# Altium PCB HTBLEBMSALL24S100A_PCB_V0.2_260323.pcbdoc (part 3 of 7)
Units mm, origin at the board's own origin, x right, y up, seen from the top; angles counter-clockwise.
Board outline 212.1 x 87.6 mm, 2 copper layers (Top Layer, Bottom Layer), stack 1.56 mm thick; 927 components, 443 nets, 2867 pads, 2632 vias.
Unrouted connection lines stored in the file: 1161.
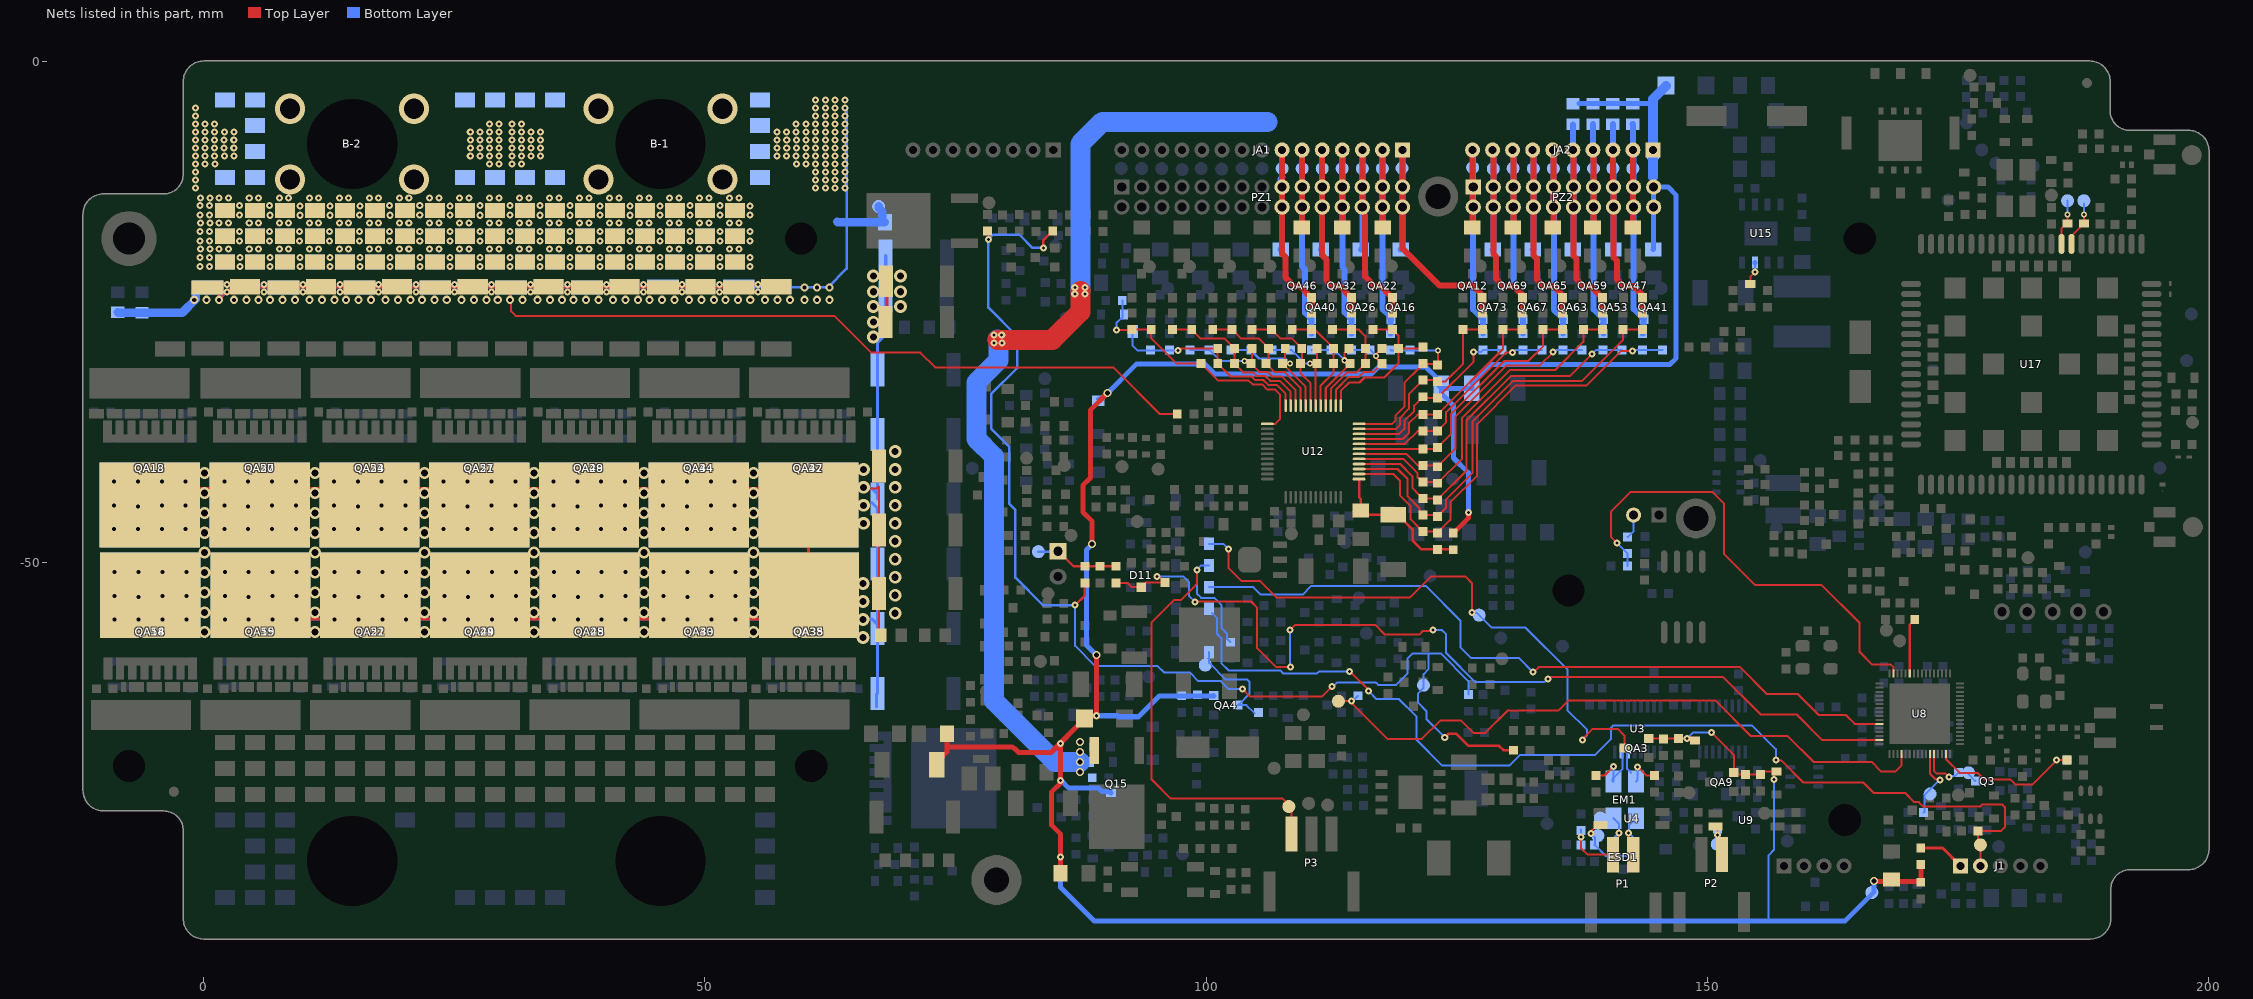
[diagram p3: the nets of this part, all layers, seen from the top]

## Via types
v1: diameter 0.7, hole 0.3, Top Layer to Bottom Layer, tented both sides, 1293 vias
v2: diameter 0.6, hole 0.3, Top Layer to Bottom Layer, tented both sides, 859 vias
v3: diameter 0.8, hole 0.4, Top Layer to Bottom Layer, tented both sides, 301 vias
v4: diameter 0.8, hole 0.5, Top Layer to Bottom Layer, tented both sides, 67 vias
v5: diameter 1.2, hole 0.7, Top Layer to Bottom Layer, tented both sides, 59 vias
v6: diameter 1.27, hole 0.711, Top Layer to Bottom Layer, tented both sides, 34 vias
v7: diameter 3, hole 2, Top Layer to Bottom Layer, tented both sides, 16 vias
v8: diameter 0.9, hole 0.6, Top Layer to Bottom Layer, tented both sides, 2 vias
v9: diameter 0.63, hole 0.3, Top Layer to Bottom Layer, tented both sides, 1 vias

## Nets (pads, with @x,y where several pads share a name; then routed paths per layer and width w, separated by ;. In a path a pad name is that pad's centre, name@x,y a point inside that pad or via, vN(x,y) a via of type N, cw(c..) or ccw(c..) an arc to the next point about the centre after c; other vN are vias at no path point) (continued)
B8: CA53.2 DA43.2 JA1.7 PZ1.17 PZ1.18 Q15.3 QA46.2 RA90.1 RA91.1 RA141.1 T64.1 | length 119.9
  Top Layer w0.6: JA1.7@107.58,-8.829 PZ1.17@107.58,-12.529 107.58,-19.189 107.939,-19.548 107.939,-21.555 108.76,-22.375 109.314,-22.375 110.341,-23.402 110.366,-23.402 110.516,-23.552 QA46.2@110.516,-23.577 110.544,-23.605 110.544,-25.065 RA90.1@110.521,-25.088
  Top Layer w2: 79.207,-27.776 79.63,-27.776 84.66,-27.776 87.452,-24.984 87.452,-22.891
  Bottom Layer w0.2: 107.595,-11.508 107.62,-11.533 ; JA1.7@107.595,-9.449 JA1.7@107.608,-9.461
  Bottom Layer w0.6: RA91.1@107.436,-18.779 107.58,-18.635 PZ1.18@107.58,-14.529 PZ1.17@107.58,-12.529 ; PZ1.17@107.436,-12.529 107.436,-11.717 107.62,-11.533
  Bottom Layer w2: 79.181,-27.75 79.263,-27.832 79.263,-29.823 77.068,-32.018 77.068,-37.637 78.833,-39.402 78.833,-63.787 84.941,-69.894 v4(87.416,-69.894) ; 87.452,-22.891 87.452,-8.209 89.638,-6.023 106.13,-6.023
  other v1: 78.833,-28.078 79.63,-28.078 79.608,-27.295 78.83,-27.265 86.892,-23.217 87.918,-23.217 86.892,-22.526 87.918,-22.526
  other v4: 87.416,-70.895 87.416,-68.893 87.416,-67.893
B9: JA1.6 PZ1.19 PZ1.20 QA40.2 RA78.1 RA79.1 T60.1 | length 26.4
  Top Layer w0.6: RA79.1@109.58,-16.544 PZ1.20@109.58,-14.529 PZ1.19@109.58,-12.529 JA1.6@109.58,-8.829
  Bottom Layer w0.6: JA1.6@109.58,-8.829 T60.1@109.58,-10.679 PZ1.19@109.58,-12.529 PZ1.20@109.58,-14.529 109.58,-20.449 109.876,-20.745 109.876,-25.081 110.326,-25.531 110.348,-25.531 110.501,-25.684 110.501,-25.706 RA78.1@110.501,-27.121
B10: JA1.5 PZ1.21 PZ1.22 QA32.2 RA59.1 RA66.1 T53.1 | length 28
  Top Layer w0.6: PZ1.22@111.58,-14.529 PZ1.21@111.58,-12.529 ; PZ1.22@111.58,-14.529 111.58,-19.319 111.995,-19.734 111.995,-21.852 112.519,-22.375 113.317,-22.375 114.344,-23.402 114.369,-23.402 114.519,-23.552 QA32.2@114.519,-23.577 114.514,-23.582 114.514,-25.083 RA59.1@114.509,-25.088 ; PZ1.21@111.58,-12.529 JA1.5@111.58,-8.829
  Bottom Layer w0.6: RA66.1@111.442,-18.779 111.58,-18.641 PZ1.22@111.58,-14.529 PZ1.21@111.58,-12.529 T53.1@111.58,-10.679 JA1.5@111.58,-8.829
B11: JA1.4 PZ1.23 PZ1.24 QA26.2 RA47.1 RA50.1 T49.1 | length 26.4
  Top Layer w0.6: PZ1.24@113.562,-14.529 JA1.4@113.562,-8.829 ; RA50.1@113.58,-16.562 PZ1.24@113.58,-14.529
  Bottom Layer w0.6: JA1.4@113.58,-8.829 PZ1.23@113.58,-12.529 PZ1.24@113.58,-14.529 113.58,-20.51 113.801,-20.73 113.801,-25.021 114.31,-25.531 114.358,-25.531 114.485,-25.658 114.485,-25.706 RA47.1@114.485,-27.121
B12: JA1.3 PZ1.25 PZ1.26 QA22.2 RA37.1 RA39.1 T43.1 | length 27.9
  Top Layer w0.6: JA1.3@115.58,-8.829 PZ1.25@115.58,-12.529 PZ1.26@115.58,-14.529 115.757,-14.706 115.757,-15.249 115.85,-15.343 115.85,-21.439 116.787,-22.375 117.399,-22.375 118.425,-23.402 118.425,-23.427 QA22.2@118.575,-23.577 118.574,-23.578 118.574,-25.087 RA37.1@118.573,-25.088
  Bottom Layer w0.6: RA39.1@115.444,-18.779 115.58,-18.642 PZ1.26@115.58,-14.529 PZ1.25@115.58,-12.529 T43.1@115.58,-10.679 JA1.3@115.58,-8.829
B13: JA1.2 PZ1.27 PZ1.28 QA16.2 RA22.1 RA26.1 T40.1 | length 26.4
  Top Layer w0.5: RA26.1@117.58,-16.56 RA26.1@117.6,-16.579
  Top Layer w0.6: RA26.1@117.578,-16.56 PZ1.27@117.578,-12.529 ; PZ1.27@117.58,-12.529 JA1.2@117.58,-8.829
  Bottom Layer w0.6: PZ1.28@117.578,-14.529 117.578,-24.653 118.291,-25.366 118.291,-25.556 QA16.2@118.441,-25.706 118.411,-26.056 RA22.1@118.411,-27.121 ; PZ1.27@117.578,-12.529 T40.1@117.578,-10.955 ; T40.1@117.579,-10.955 JA1.2@117.579,-8.829 ; PZ1.28@117.58,-14.529 PZ1.27@117.58,-12.529
B14: JA1.1 PZ1.29 PZ1.30 QA12.2 RA13.1 RA16.1 T35.1 | length 31.8
  Top Layer w0.6: JA1.1@119.58,-8.575 JA1.1@119.58,-8.829 PZ1.29@119.58,-12.529 PZ1.30@119.58,-14.529 119.58,-18.639 123.302,-22.361 126.614,-22.361 127.549,-23.296 RA13.1@127.549,-25.074
  Bottom Layer w0.6: RA16.1@119.409,-18.779 119.58,-18.608 PZ1.30@119.58,-14.529 PZ1.29@119.58,-12.529 JA1.1@119.58,-8.829
B15: JA2.10 PZ2.1 PZ2.2 QA73.2 RA7.1 RA9.1 T33.1 | length 26.5
  Top Layer w0.6: RA9.1@126.556,-16.579 JA2.10@126.556,-8.829
  Bottom Layer w0.6: JA2.10@126.645,-8.829 PZ2.1@126.645,-12.529 PZ2.2@126.645,-14.529 126.645,-24.739 127.437,-25.531 127.463,-25.531 127.611,-25.679 QA73.2@127.611,-25.705 ; RA7.1@127.612,-27.121 QA73.2@127.613,-25.706
B16: JA2.9 PZ2.3 PZ2.4 QA69.2 RA153.1 RA159.1 T94.1 | length 28.3
  Top Layer w0.6: JA2.9@128.579,-8.829 128.645,-8.894 PZ2.3@128.645,-12.529 128.645,-19.173 128.911,-19.439 128.911,-21.645 129.641,-22.375 130.629,-22.375 131.388,-23.135 131.388,-23.402 QA69.2@131.549,-23.402 ; RA153.1@131.515,-25.074 131.549,-25.074 QA69.2@131.549,-23.296
  Bottom Layer w0.6: RA159.1@128.574,-18.779 128.645,-18.709 PZ2.3@128.645,-12.529 128.645,-8.894 JA2.9@128.579,-8.829
B17: JA2.8 PZ2.5 PZ2.6 QA67.2 RA143.1 RA145.1 T90.1 | length 26.4
  Top Layer w0.6: RA145.1@130.568,-16.579 130.645,-16.502 PZ2.6@130.645,-14.529 PZ2.5@130.645,-12.529 JA2.8@130.645,-8.829
  Bottom Layer w0.6: PZ2.6@130.645,-14.529 130.645,-22.391 131.626,-23.372 QA67.2@131.626,-25.706 ; JA2.8@130.645,-8.829 PZ2.5@130.645,-12.529 130.645,-14.168 PZ2.6@130.825,-14.348 ; RA143.1@131.618,-27.121 QA67.2@131.618,-25.673
B18: JA2.7 PZ2.7 PZ2.8 QA65.2 RA135.1 RA137.1 T85.1 | length 28.2
  Top Layer w0.6: JA2.7@132.645,-8.829 PZ2.7@132.645,-12.529 PZ2.8@132.645,-14.529 132.645,-19.323 132.987,-19.666 132.987,-21.739 133.624,-22.375 134.629,-22.375 135.381,-23.127 135.381,-23.402 QA65.2@135.549,-23.402 ; RA135.1@135.549,-25.074 QA65.2@135.549,-23.296
  Bottom Layer w0.6: JA2.7@132.579,-8.829 132.645,-8.894 PZ2.7@132.645,-12.529 PZ2.8@132.645,-14.529 132.645,-18.715 RA137.1@132.58,-18.779
B19: JA2.6 PZ2.9 PZ2.10 QA63.2 RA128.1 RA131.1 T81.1 | length 26.8
  Top Layer w0.6: RA131.1@134.571,-16.579 134.645,-16.505 PZ2.10@134.645,-14.529 PZ2.9@134.645,-12.529 JA2.6@134.645,-8.829
  Bottom Layer w0.6: JA2.6@134.579,-8.829 134.645,-8.894 PZ2.9@134.645,-12.529 PZ2.10@134.645,-14.529 ; PZ2.10@134.683,-14.256 134.683,-24.75 135.464,-25.531 135.489,-25.531 135.639,-25.681 QA63.2@135.639,-25.706 ; QA63.2@135.589,-26.147 QA63.2@135.614,-26.122 ; RA128.1@135.614,-27.121 QA63.2@135.614,-26.122 ; QA63.2@135.614,-25.706 QA63.2@135.614,-26.122
B20: JA2.5 PZ2.11 PZ2.12 QA59.2 RA113.2 RA117.1 RA120.1 T77.1 | length 30.5
  Top Layer w0.6: JA2.5@136.645,-8.829 PZ2.11@136.645,-12.529 PZ2.12@136.645,-14.529 136.645,-19.393 136.95,-19.698 136.95,-21.718 137.607,-22.375 138.322,-22.375 139.349,-23.402 139.374,-23.402 139.524,-23.552 QA59.2@139.524,-23.577 139.559,-23.613 139.559,-25.065 RA117.1@139.536,-25.088
  Bottom Layer w0.6: JA2.5@136.579,-8.829 RA113.2@136.579,-6.263 ; RA120.1@136.586,-18.779 136.645,-18.721 PZ2.12@136.645,-14.529 PZ2.11@136.645,-12.529 T77.1@136.645,-10.679 136.645,-8.894 JA2.5@136.589,-8.839
B21: JA2.4 PZ2.13 PZ2.14 QA53.2 RA97.2 RA105.1 RA108.1 T71.1 | length 29.2
  Top Layer w0.6: RA108.1@138.543,-16.579 138.645,-16.478 PZ2.14@138.645,-14.529 PZ2.13@138.645,-12.529 JA2.4@138.645,-8.829
  Bottom Layer w0.6: PZ2.13@138.579,-12.529 138.645,-12.594 PZ2.14@138.645,-14.529 138.645,-24.72 139.455,-25.531 139.501,-25.531 139.63,-25.659 QA53.2@139.63,-26.144 ; JA2.4@138.579,-8.829 138.641,-9.004 T71.1@138.641,-10.676 ; JA2.4@138.583,-8.829 RA97.2@138.583,-6.244 ; PZ2.13@138.645,-12.529 T71.1@138.645,-10.679 ; QA53.2@139.585,-26.147 QA53.2@139.63,-26.144 ; RA105.1@139.63,-27.121 QA53.2@139.63,-26.144
B22: JA2.3 PZ2.15 PZ2.16 QA47.2 RA86.2 RA92.1 RA96.1 T65.1 | length 30.9
  Top Layer w0.6: JA2.3@140.579,-8.829 140.579,-12.464 PZ2.15@140.645,-12.529 PZ2.16@140.645,-14.529 140.645,-19.533 140.968,-19.857 140.968,-21.718 141.625,-22.375 142.629,-22.375 143.374,-23.121 143.374,-23.402 QA47.2@143.549,-23.402 ; RA92.1@143.517,-25.074 143.549,-25.074 QA47.2@143.549,-23.296
  Bottom Layer w0.6: RA86.2@140.573,-6.244 140.573,-7.424 140.576,-7.427 140.576,-8.829 140.579,-8.832 T65.1@140.579,-10.647 ; RA96.1@140.593,-18.779 140.645,-18.727 PZ2.16@140.645,-14.529 PZ2.15@140.645,-12.529 T65.1@140.645,-10.647
B23: JA2.2 PZ2.17 PZ2.18 QA41.2 RA76.2 RA80.1 RA85.1 T62.1 | length 29.1
  Top Layer w0.6: RA85.1@142.562,-16.579 142.567,-14.529 142.572,-12.529 JA2.2@142.582,-8.829
  Bottom Layer w0.6: RA76.2@142.56,-6.244 142.57,-6.253 JA2.2@142.57,-8.819 ; PZ2.17@142.571,-12.529 142.571,-14.143 PZ2.18@142.801,-14.373 ; T62.1@142.577,-10.679 142.654,-10.602 142.654,-8.904 JA2.2@142.57,-8.819 ; JA2.2@142.579,-8.829 JA2.2@142.57,-8.819 ; PZ2.18@142.645,-14.529 142.645,-24.686 143.489,-25.531 143.514,-25.531 143.664,-25.681 QA41.2@143.664,-25.706 143.608,-25.762 143.608,-27.065 RA80.1@143.552,-27.121 ; PZ2.17@142.645,-12.529 T62.1@142.645,-10.679
B24: C16.2 C26.1 C29.2 CA25.1 D32.1 DA1.1 DA12.2 DA20.2 DA24.1 DA25.1 DA31.1 DA41.2 DA44.1 JA2.1 PZ2.19 PZ2.20 QA3.2 QA4.2 QA9.2 R5.1 R26.2 R32.2 RA1.2 RA3.1 RA4.2 RA67.1 RA69.1 RA76.1 RA86.1 RA97.1 RA113.1 RA146.1 T47.1 T56.1 | length 334.2
  Top Layer w0.2: QA3.2@144.147,-67.55 v1(147.96,-67.55) 148.015,-67.55 v1@148.04,-67.55 ; v1(150.43,-66.949) 152.657,-69.175 QA9.2@152.657,-70.939 152.861,-71.143 C29.2@153.792,-71.143 ; C29.2@153.69,-71.041 C29.2@153.792,-71.143 ; v1(156.65,-71.639) DA20.2@156.65,-71.143 ; DA20.2@156.65,-71.068 DA20.2@156.887,-70.832 155.616,-70.832 RA4.2@155.305,-71.143 C29.2@153.792,-71.143
  Top Layer w0.5: DA41.2@73.167,-69.485 73.27,-69.382 73.627,-69.382 74.134,-68.875 74.134,-68.367 ; CA25.1@74.134,-67.303 74.134,-68.367 ; v1@85.466,-71.726 85.466,-68.031 v1(85.474,-68.023) ; v1(85.479,-71.73) 85.46,-71.749 85.46,-71.994 84.558,-72.896 84.558,-76.16 85.486,-77.087 RA146.1@85.486,-80.979 ; v4(88.632,-48.146) 88.632,-45.881 87.703,-44.951 87.703,-42.276 88.481,-41.498 88.481,-34.748 v4(90.16,-33.069) ; v4(89.04,-59.206) 89.059,-59.225 v1@89.059,-65.262 ; v1(89.069,-65.271) 88.131,-65.271 DA1.1@87.869,-65.533 87.869,-65.583 84.513,-68.939 81.295,-68.939 80.873,-68.517 80.815,-68.517 80.664,-68.367 76.494,-68.367 74.134,-68.367 ; RA67.1@124.652,-47.057 124.846,-46.862 126.156,-45.553 126.156,-45.002 v1(126.159,-45) ; v1@148.015,-67.55 148.064,-67.6 148.711,-67.6 DA12.2@148.766,-67.654 ; v4(166.65,-81.759) 166.689,-81.797 171.209,-81.797 R5.1@171.294,-81.882 R26.2@171.294,-80.119 ; RA3.1@168.373,-81.611 RA3.1@168.509,-81.747
  Bottom Layer w0.2: v1(147.96,-67.55) 148.561,-66.949 v1(150.43,-66.949) ; 156.01,-85.77 156.09,-85.69 156.09,-79.22 156.65,-78.66 v1(156.65,-71.639)
  Bottom Layer w0.5: v1(85.479,-71.73) 85.534,-71.73 86.244,-72.44 86.28,-72.44 86.34,-72.5 89.273,-72.5 89.594,-72.821 90.351,-72.821 DA44.1@90.507,-72.978 ; v1(85.493,-79.363) 85.493,-82.404 88.859,-85.77 156.01,-85.77 163.72,-85.77 166.65,-82.84 v4(166.65,-81.759) ; v4(88.632,-48.146) 88.059,-48.72 88.059,-58.225 v4(89.04,-59.206) ; v1(89.069,-65.271) 91.136,-65.271 91.236,-65.371 93.249,-65.371 95.343,-63.277 R32.2@97.563,-63.277 100.759,-63.277 QA4.2@100.751,-63.269 ; DA24.1@89.244,-33.67 89.549,-33.67 90.15,-33.069 v4(90.16,-33.069) 90.17,-33.069 93.04,-30.199 99.882,-30.199 100.88,-31.197 116.483,-31.197 117.181,-30.499 121.94,-30.499 122.946,-31.505 122.946,-32.09 DA31.1@123.458,-32.602 ; v1(126.159,-45) 126.159,-41.022 124.685,-39.548 124.685,-34.337 123.458,-33.11 DA31.1@123.458,-32.602 ; RA113.1@137.209,-4.212 RA97.1@138.586,-4.212 RA86.1@140.573,-4.212 RA76.1@142.56,-4.212 144.579,-4.212 ; RA69.1@144.599,-18.779 144.645,-18.733 PZ2.20@144.645,-14.529 PZ2.19@144.645,-12.529 146.09,-12.529 146.89,-13.329 146.89,-29.599 146.28,-30.209 128.393,-30.209 126.509,-32.094 DA25.1@126.509,-32.602 DA31.1@123.458,-32.602 ; PZ2.19@144.599,-12.529 144.599,-11.532 ; D32.1@145.869,-2.454 D32.1@145.869,-2.404
  Bottom Layer w1: 144.579,-11.513 JA2.1@144.579,-8.829 144.579,-4.212 144.579,-3.743 D32.1@145.869,-2.454
B-: B-1. B-1.1@45.55,-8.229 B-2. B-2.1@14.802,-8.229 CA47.2 CA49.2 pad.6@2.094,-3.825 pad.6@2.094,-11.555 pad.6@2.094,-14.859 pad.6@2.094,-17.436 pad.6@2.094,-20.013 pad.6@4.126,-22.441 pad.6@4.126,-22.473 pad.6@5.089,-3.825 pad.6@5.089,-6.401 pad.6@5.089,-8.978 pad.6@5.089,-11.555 pad.6@5.089,-14.859 pad.6@5.089,-17.436 pad.6@5.089,-20.013 pad.6@8.084,-14.859 pad.6@8.084,-17.436 pad.6@8.084,-20.013 pad.6@11.078,-14.859 pad.6@11.078,-17.436 pad.6@11.078,-20.013 pad.6@11.696,-22.441 pad.6@11.696,-22.473 pad.6@14.073,-14.859 pad.6@14.073,-17.436 pad.6@14.073,-20.013 pad.6@17.068,-14.859 pad.6@17.068,-17.436 pad.6@17.068,-20.013 pad.6@19.266,-22.441 pad.6@19.266,-22.473 pad.6@20.062,-14.859 pad.6@20.062,-17.436 pad.6@20.062,-20.013 pad.6@23.057,-14.859 pad.6@23.057,-17.436 pad.6@23.057,-20.013 pad.6@26.052,-3.825 pad.6@26.052,-11.555 pad.6@26.052,-14.859 pad.6@26.052,-17.436 pad.6@26.052,-20.013 pad.6@26.835,-22.441 pad.6@26.835,-22.473 pad.6@29.046,-3.825 pad.6@29.046,-11.555 pad.6@29.046,-14.859 pad.6@29.046,-17.436 pad.6@29.046,-20.013 pad.6@32.041,-3.825 pad.6@32.041,-11.555 pad.6@32.041,-14.859 pad.6@32.041,-17.436 pad.6@32.041,-20.013 pad.6@34.405,-22.441 pad.6@34.405,-22.473 pad.6@35.036,-3.825 pad.6@35.036,-11.555 pad.6@35.036,-14.859 pad.6@35.036,-17.436 pad.6@35.036,-20.013 pad.6@38.03,-14.859 pad.6@38.03,-17.436 pad.6@38.03,-20.013 pad.6@41.025,-14.859 pad.6@41.025,-17.436 pad.6@41.025,-20.013 pad.6@41.974,-22.441 pad.6@41.974,-22.473 pad.6@44.02,-14.859 pad.6@44.02,-17.436 pad.6@44.02,-20.013 pad.6@47.014,-14.859 pad.6@47.014,-17.436 pad.6@47.014,-20.013 pad.6@49.544,-22.441 pad.6@49.544,-22.473 pad.6@50.009,-14.859 pad.6@50.009,-17.436 pad.6@50.009,-20.013 pad.6@53.004,-14.859 pad.6@53.004,-17.436 pad.6@53.004,-20.013 pad.6@55.48,-3.825 pad.6@55.48,-6.401 pad.6@55.48,-8.978 pad.6@55.48,-11.555 pad.6@57.113,-22.473 pad.6@57.114,-22.441 RA52.1 RA83.1 Rs1.1 Rs2.1 Rs3.1 Rs4.1 Rs5.1 Rs6.1 Rs7.1 Rs8.1 Rs9.1 Rs10.1 Rs11.1 Rs12.1 Rs13.1 Rs14.1 Rs15.1 Rs16.1 T58.1 | length 227
  Top Layer w0.2: Rs16.1@0.38,-22.531 0.932,-22.531 1.531,-23.129 1.531,-23.739 2.739,-22.531 Rs15.1@7.95,-22.531 11.696,-22.531 Rs14.1@15.519,-22.531 Rs13.1@23.089,-22.531 Rs12.1@30.658,-22.531 ; Rs9.1@53.367,-22.531 Rs10.1@45.797,-22.531 Rs11.1@38.228,-22.531 36.295,-22.531 Rs12.1@30.658,-22.531 ; RA52.1@97.118,-35.17 95.384,-35.17 90.728,-30.514 72.96,-30.514 71.483,-29.037 66.571,-29.037 62.917,-25.383 31.116,-25.383 30.658,-24.925 Rs12.1@30.658,-22.531
  Bottom Layer w0.254: Rs1.1@0.38,-22.531 0.959,-22.531 0.965,-22.537 1.531,-23.102 1.531,-23.739 2.739,-22.531 Rs2.1@7.95,-22.531 11.696,-22.531 Rs3.1@15.519,-22.531 21.156,-22.531 Rs4.1@23.089,-22.531 28.725,-22.531 Rs5.1@30.658,-22.531 34.405,-22.531 Rs6.1@38.228,-22.531 41.974,-22.531 51.434,-22.531 55.3,-22.531 62.259,-22.531 64.139,-20.651 64.139,-16.056 v1@64.139,-4.75
  Bottom Layer w0.85: CA49.2@-8.586,-25.032 -8.553,-25.065 -6.253,-25.065 CA47.2@-6.161,-25.065 -2.149,-25.065 -0.783,-23.699 -0.783,-22.804 -0.515,-22.537 Rs1.1@0.965,-22.537 ; 63.192,-15.98 63.268,-16.056 64.139,-16.056 67.944,-16.056 67.709,-15.821 67.709,-14.977 67.319,-14.588 T58.1@67.319,-14.466
  other v1: 2.313,-22.995 6.017,-22.995 9.882,-22.995 13.586,-22.995 17.452,-22.995 21.156,-22.995 25.022,-22.995 28.725,-22.995 32.591,-22.995 36.295,-22.995 40.161,-22.995 43.864,-22.995 47.73,-22.995 51.434,-22.995 55.3,-22.995 2.313,-22.269 6.017,-22.269 9.882,-22.269 13.586,-22.269 17.452,-22.269 21.156,-22.269 25.022,-22.269 28.725,-22.269 32.591,-22.269 36.295,-22.269 40.161,-22.269 43.864,-22.269 47.73,-22.269 51.434,-22.269 55.3,-22.269 -0.357,-20.473 0.583,-20.473 3.606,-20.473 6.6,-20.473 9.595,-20.473 12.59,-20.473 15.584,-20.473 18.579,-20.473 21.574,-20.473 24.568,-20.473 27.563,-20.473 30.558,-20.473 33.552,-20.473 36.547,-20.473 39.542,-20.473 42.536,-20.473 45.531,-20.473 48.526,-20.473 51.52,-20.473 54.515,-20.473 -0.357,-19.533 0.583,-19.533 3.606,-19.533 6.6,-19.533 9.595,-19.533 12.59,-19.533 15.584,-19.533 18.579,-19.533 21.574,-19.533 24.568,-19.533 27.563,-19.533 30.558,-19.533 33.552,-19.533 36.547,-19.533 39.542,-19.533 42.536,-19.533 45.531,-19.533 48.526,-19.533 51.52,-19.533 54.515,-19.533 -0.339,-18.705 0.601,-18.705 1.541,-18.705 2.481,-18.705 4.535,-18.705 5.475,-18.705 7.53,-18.705 8.47,-18.705 10.525,-18.705 11.465,-18.705 13.519,-18.705 14.459,-18.705 16.514,-18.705 17.454,-18.705 19.509,-18.705 20.448,-18.705 22.503,-18.705 23.443,-18.705 25.498,-18.705 26.438,-18.705 28.493,-18.705 29.432,-18.705 31.487,-18.705 32.427,-18.705 34.482,-18.705 35.422,-18.705 37.477,-18.705 38.416,-18.705 40.471,-18.705 41.411,-18.705 43.466,-18.705 44.406,-18.705 46.461,-18.705 47.4,-18.705 49.455,-18.705 50.395,-18.705 52.45,-18.705 53.39,-18.705 -0.357,-17.896 0.583,-17.896 3.578,-17.896 6.572,-17.896 9.567,-17.896 12.562,-17.896 15.556,-17.896 18.551,-17.896 21.546,-17.896 24.54,-17.896 27.535,-17.896 30.53,-17.896 33.524,-17.896 36.519,-17.896 39.514,-17.896 42.508,-17.896 45.503,-17.896 48.498,-17.896 51.492,-17.896 54.487,-17.896 -0.357,-16.956 0.583,-16.956 3.578,-16.956 6.572,-16.956 9.567,-16.956 12.562,-16.956 15.556,-16.956 18.551,-16.956 21.546,-16.956 24.54,-16.956 27.535,-16.956 30.53,-16.956 33.524,-16.956 36.519,-16.956 39.514,-16.956 42.508,-16.956 45.503,-16.956 48.498,-16.956 51.492,-16.956 54.487,-16.956 -0.339,-16.129 0.601,-16.129 1.541,-16.129 2.481,-16.129 4.535,-16.129 5.475,-16.129 7.53,-16.129 8.47,-16.129 10.525,-16.129 11.465,-16.129 13.519,-16.129 14.459,-16.129 16.514,-16.129 17.454,-16.129 19.509,-16.129 20.448,-16.129 22.503,-16.129 23.443,-16.129 25.498,-16.129 26.438,-16.129 28.493,-16.129 29.432,-16.129 31.487,-16.129 32.427,-16.129 34.482,-16.129 35.422,-16.129 37.477,-16.129 38.416,-16.129 40.471,-16.129 41.411,-16.129 43.466,-16.129 44.406,-16.129 46.461,-16.129 47.4,-16.129 49.455,-16.129 50.395,-16.129 52.45,-16.129 53.39,-16.129 -0.357,-15.319 0.583,-15.319 3.578,-15.319 6.6,-15.339 9.595,-15.339 12.59,-15.339 15.556,-15.319 18.579,-15.339 21.546,-15.319 24.54,-15.319 27.563,-15.339 30.53,-15.319 33.552,-15.339 36.547,-15.339 39.514,-15.319 42.536,-15.339 45.503,-15.319 48.498,-15.319 51.492,-15.319 54.487,-15.319 -0.357,-14.379 0.583,-14.379 3.578,-14.379 6.572,-14.379 9.595,-14.399 12.59,-14.399 15.584,-14.399 18.551,-14.379 21.546,-14.379 24.568,-14.399 27.535,-14.379 30.53,-14.379 33.524,-14.379 36.519,-14.379 39.542,-14.399 42.536,-14.399 45.531,-14.399 48.498,-14.379 51.492,-14.379 54.515,-14.399 -0.339,-13.632 0.601,-13.632 1.541,-13.632 2.481,-13.632 4.535,-13.632 5.475,-13.632 7.53,-13.632 8.47,-13.632 10.525,-13.632 11.465,-13.632 13.519,-13.632 14.459,-13.632 16.514,-13.632 17.454,-13.632 19.509,-13.632 20.448,-13.632 22.503,-13.632 23.443,-13.632 25.498,-13.632 26.438,-13.632 28.493,-13.632 29.432,-13.632 31.487,-13.632 32.427,-13.632 34.482,-13.632 35.422,-13.632 37.477,-13.632 38.416,-13.632 40.471,-13.632 41.411,-13.632 43.466,-13.632 44.406,-13.632 46.461,-13.632 47.4,-13.632 49.455,-13.632 50.395,-13.632 52.45,-13.632 53.39,-13.632 -0.805,-12.643 61.032,-12.602 62.007,-12.602 62.982,-12.602 63.958,-12.602 -0.805,-11.845 61.032,-11.804 62.007,-11.804 62.982,-11.804 63.958,-11.804 -0.805,-11.047 61.032,-11.005 62.007,-11.005 62.982,-11.005 63.958,-11.005 -0.805,-10.249 0.135,-10.249 1.111,-10.249 30.74,-10.249 31.715,-10.249 28.517,-10.207 29.457,-10.207 59.116,-10.207 60.056,-10.207 61.032,-10.207 62.007,-10.207 62.982,-10.207 63.958,-10.207 -0.805,-9.45 0.135,-9.45 1.093,-9.45 2.05,-9.45 3.008,-9.45 30.74,-9.45 31.697,-9.45 32.655,-9.45 33.612,-9.45 26.584,-9.409 27.542,-9.409 28.499,-9.409 29.457,-9.409 57.184,-9.409 58.141,-9.409 59.099,-9.409 60.056,-9.409 61.032,-9.409 62.007,-9.409 62.982,-9.409 63.958,-9.409 -0.805,-8.652 0.135,-8.652 1.075,-8.652 2.033,-8.652 2.99,-8.652 30.74,-8.652 31.679,-8.652 32.637,-8.652 33.594,-8.652 26.602,-8.611 27.56,-8.611 28.517,-8.611 29.457,-8.611 57.201,-8.611 58.159,-8.611 59.116,-8.611 60.056,-8.611 61.032,-8.611 62.007,-8.611 62.982,-8.611 63.958,-8.611 -0.805,-7.854 0.135,-7.854 1.075,-7.854 2.033,-7.854 2.99,-7.854 30.74,-7.854 31.679,-7.854 32.637,-7.854 33.594,-7.854 26.602,-7.813 27.56,-7.813 28.517,-7.813 29.457,-7.813 57.201,-7.813 58.159,-7.813 59.116,-7.813 60.056,-7.813 61.032,-7.813 62.007,-7.813 62.982,-7.813 63.958,-7.813 -0.805,-7.056 0.135,-7.056 1.093,-7.056 2.05,-7.056 3.008,-7.056 30.74,-7.056 31.697,-7.056 32.655,-7.056 33.612,-7.056 26.584,-7.015 27.542,-7.015 28.499,-7.015 29.457,-7.015 57.184,-7.015 58.141,-7.015 59.099,-7.015 60.056,-7.015 61.032,-7.015 62.007,-7.015 62.982,-7.015 63.958,-7.015 -0.805,-6.258 0.135,-6.258 1.075,-6.258 30.74,-6.258 31.679,-6.258 28.482,-6.217 29.457,-6.217 59.081,-6.217 60.056,-6.217 61.032,-6.217 62.007,-6.217 62.982,-6.217 63.958,-6.217 -0.805,-5.46 61.032,-5.419 62.007,-5.419 62.982,-5.419 63.958,-5.419 -0.805,-4.662 61.032,-4.621 62.007,-4.621 62.982,-4.621 63.958,-4.621 61.032,-3.823 62.007,-3.823 62.982,-3.823 63.958,-3.823